# Altium PCB 智能马桶综合检测台V1.0.PcbDoc (part 9 of 10) (continued)
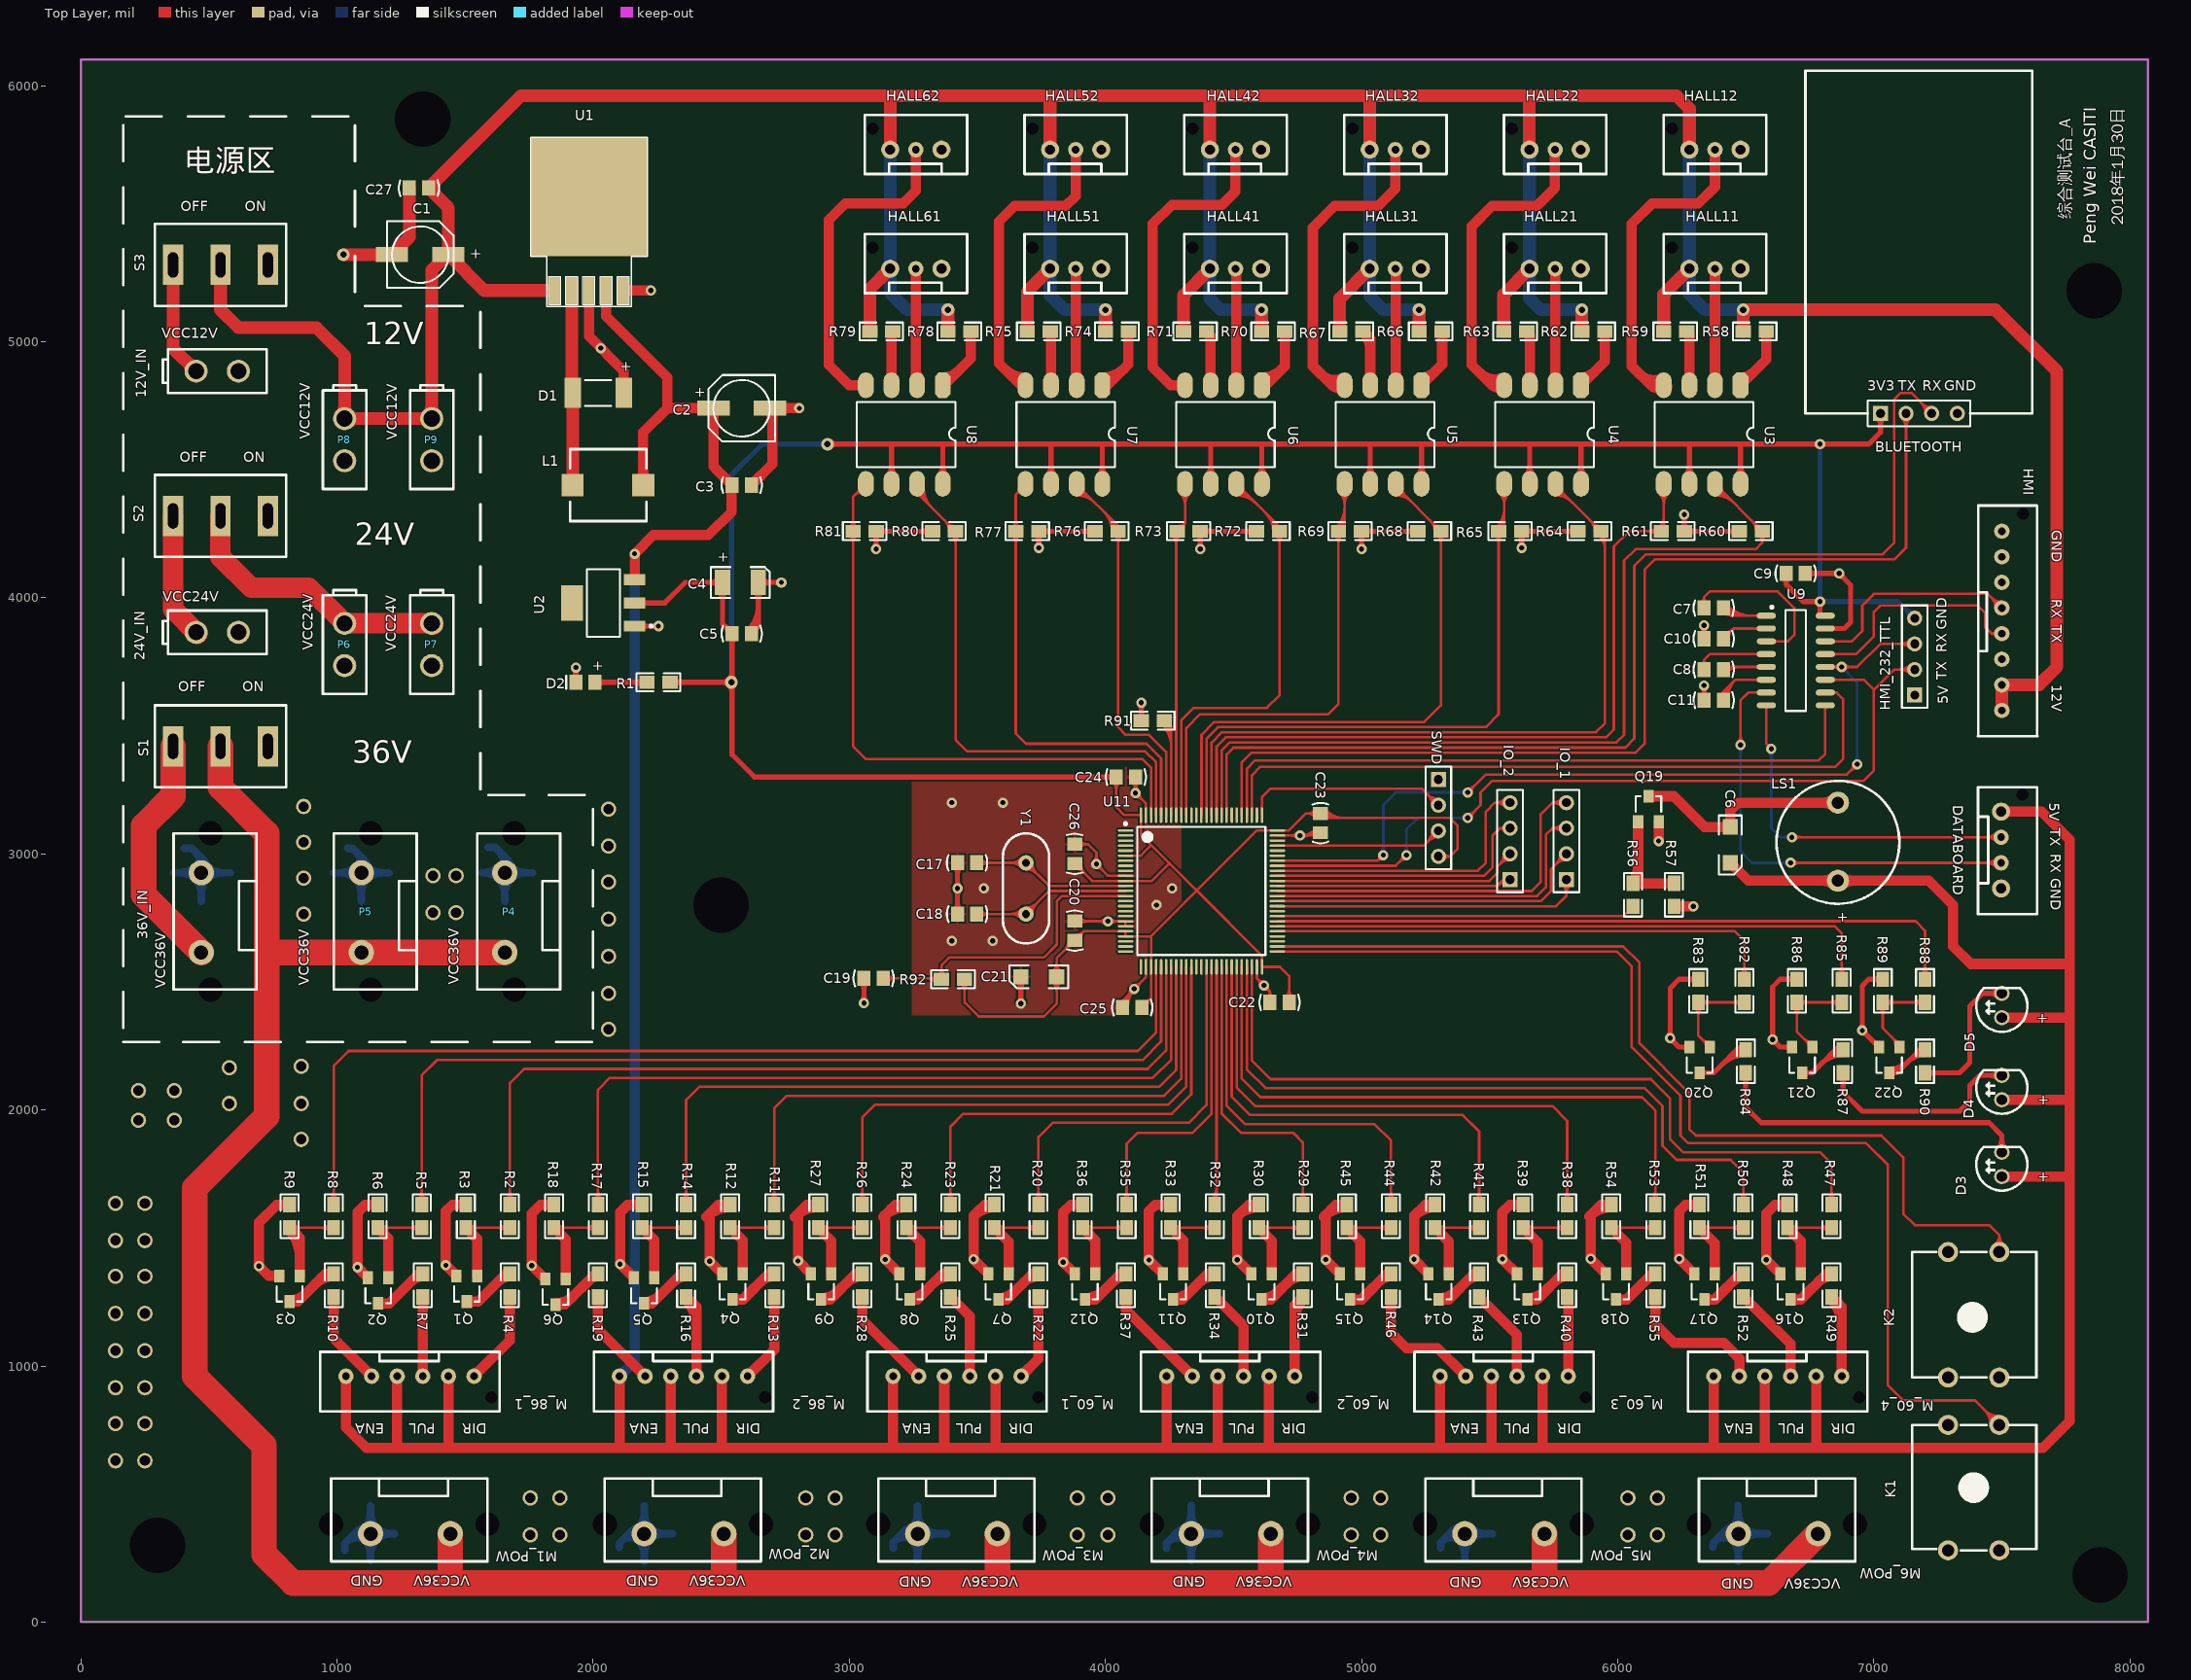
[diagram p0: Top Layer view]
## Nets (pads, with @x,y where several pads share a name; then routed paths per layer and width w, separated by ;. In a path a pad name is that pad's centre, name@x,y a point inside that pad or via, vN(x,y) a via of type N, cw(c..) or ccw(c..) an arc to the next point about the centre after c; other vN are vias at no path point) (continued)
  Top Layer w20: U2.2@2162.05,3980 2280,3980 2360,4060 C4.1@2505,4060 2505,3897.6 C5.2@2542.6,3860 2542.6,3387.4 2630,3300 C24.1@4042.6,3300 ; R1.2@2300,3670 v2(2540,3670) ; v2(2915,4600) 6980,4600 7026,4646 BLUETOOTH.1@7026,4720 ; U8.6@3165,4445 3165,4600 ; U8.8@3365,4445 3365,4600 ; U7.6@3788,4445 3788,4598 ; U7.8@3988,4445 3988,4597 ; U6.6@4411,4445 4411,4599 ; U6.8@4611,4445 4611,4599 ; U5.6@5034,4445 5034,4599 ; U5.8@5234,4445 5234,4596 ; U4.6@5657,4445 5657,4598 ; U4.8@5857,4445 5857,4597 ; U3.6@6280,4445 6280,4595 ; U3.8@6480,4445 6480,4600 ; C9.2@6657.6,4095 6657.6,4052.4 6725,3985 v1(6790,3985) 6790,3930.51 U9.16@6789.49,3930 ; U2.2@2190.96,3971.76 cw(c2210.85,3951.87) 2210.85,3980 ; U2.2@2190.96,3971.76 cw(c2210.85,3951.87) 2210.85,3980 ; U2.2@2190.96,3971.76 cw(c2210.85,3951.87) 2210.85,3980 ; U2.2@2190.96,3971.76 cw(c2210.85,3951.87) 2210.85,3980 ; U2.2@2190.96,3971.76 cw(c2210.85,3951.87) 2210.85,3980 ; U2.2@2190.96,3971.76 cw(c2210.85,3951.87) 2210.85,3980 ; U2.2@2190.96,3988.24 ccw(c2210.85,4008.13) 2210.85,3980 ; U2.2@2190.96,3988.24 ccw(c2210.85,4008.13) 2210.85,3980 ; U2.2@2190.96,3988.24 ccw(c2210.85,4008.13) 2210.85,3980 ; U2.2@2190.96,3988.24 ccw(c2210.85,4008.13) 2210.85,3980 ; U2.2@2190.96,3988.24 ccw(c2210.85,4008.13) 2210.85,3980 ; U2.2@2190.96,3988.24 ccw(c2210.85,4008.13) 2210.85,3980 ; R1.2@2315.61,3659.39 cw(c2341.21,3633.79) 2341.21,3670 ; R1.2@2315.61,3659.39 cw(c2341.21,3633.79) 2341.21,3670 ; R1.2@2315.61,3659.39 cw(c2341.21,3633.79) 2341.21,3670 ; R1.2@2315.61,3659.39 cw(c2341.21,3633.79) 2341.21,3670 ; R1.2@2315.61,3659.39 cw(c2341.21,3633.79) 2341.21,3670 ; R1.2@2315.61,3659.39 cw(c2341.21,3633.79) 2341.21,3670 ; R1.2@2315.61,3680.61 ccw(c2341.21,3706.21) 2341.21,3670 ; R1.2@2315.61,3680.61 ccw(c2341.21,3706.21) 2341.21,3670 ; R1.2@2315.61,3680.61 ccw(c2341.21,3706.21) 2341.21,3670 ; R1.2@2315.61,3680.61 ccw(c2341.21,3706.21) 2341.21,3670 ; R1.2@2315.61,3680.61 ccw(c2341.21,3706.21) 2341.21,3670 ; R1.2@2315.61,3680.61 ccw(c2341.21,3706.21) 2341.21,3670 ; 2456.72,4060 cw(c2456.72,4011.72) C4.1@2490.86,4045.86 ; 2456.72,4060 ccw(c2456.72,4108.28) C4.1@2490.86,4074.14 ; 2456.72,4060 cw(c2456.72,4011.72) C4.1@2490.86,4045.86 ; 2456.72,4060 ccw(c2456.72,4108.28) C4.1@2490.86,4074.14 ; 2456.72,4060 cw(c2456.72,4011.72) C4.1@2490.86,4045.86 ; 2456.72,4060 ccw(c2456.72,4108.28) C4.1@2490.86,4074.14 ; 2456.72,4060 cw(c2456.72,4011.72) C4.1@2490.86,4045.86 ; 2456.72,4060 ccw(c2456.72,4108.28) C4.1@2490.86,4074.14 ; 2456.72,4060 cw(c2456.72,4011.72) C4.1@2490.86,4045.86 ; 2456.72,4060 ccw(c2456.72,4108.28) C4.1@2490.86,4074.14 ; 2456.72,4060 ccw(c2456.72,4108.28) C4.1@2490.86,4074.14 ; 2456.72,4060 cw(c2456.72,4011.72) C4.1@2490.86,4045.86 ; C4.1@2490.86,4025.86 cw(c2456.72,3991.72) 2505,3991.72 ; C4.1@2490.86,4025.86 cw(c2456.72,3991.72) 2505,3991.72 ; C4.1@2490.86,4025.86 cw(c2456.72,3991.72) 2505,3991.72 ; C4.1@2490.86,4025.86 cw(c2456.72,3991.72) 2505,3991.72 ; C4.1@2490.86,4025.86 cw(c2456.72,3991.72) 2505,3991.72 ; C4.1@2490.86,4025.86 cw(c2456.72,3991.72) 2505,3991.72 ; 2503.79,3670 cw(c2503.79,3633.79) v2@2529.39,3659.39 ; 2503.79,3670 ccw(c2503.79,3706.21) v2@2529.39,3680.61 ; 2503.79,3670 cw(c2503.79,3633.79) v2@2529.39,3659.39 ; 2503.79,3670 ccw(c2503.79,3706.21) v2@2529.39,3680.61 ; 2503.79,3670 cw(c2503.79,3633.79) v2@2529.39,3659.39 ; 2503.79,3670 ccw(c2503.79,3706.21) v2@2529.39,3680.61 ; 2503.79,3670 cw(c2503.79,3633.79) v2@2529.39,3659.39 ; 2503.79,3670 ccw(c2503.79,3706.21) v2@2529.39,3680.61 ; 2503.79,3670 cw(c2503.79,3633.79) v2@2529.39,3659.39 ; 2503.79,3670 ccw(c2503.79,3706.21) v2@2529.39,3680.61 ; 2503.79,3670 ccw(c2503.79,3706.21) v2@2529.39,3680.61 ; 2503.79,3670 cw(c2503.79,3633.79) v2@2529.39,3659.39 ; 2505,3991.72 cw(c2553.28,3991.72) C4.1@2519.14,4025.86 ; 2505,3991.72 cw(c2553.28,3991.72) C4.1@2519.14,4025.86 ; 2505,3991.72 cw(c2553.28,3991.72) C4.1@2519.14,4025.86 ; 2505,3991.72 cw(c2553.28,3991.72) C4.1@2519.14,4025.86 ; 2505,3991.72 cw(c2553.28,3991.72) C4.1@2519.14,4025.86 ; 2505,3991.72 cw(c2553.28,3991.72) C4.1@2519.14,4025.86 ; 2509.26,3893.34 ccw(c2542.6,3926.67) C5.2@2542.6,3879.53 ; 2509.26,3893.34 ccw(c2542.6,3926.67) C5.2@2542.6,3879.53 ; 2509.26,3893.34 ccw(c2542.6,3926.67) C5.2@2542.6,3879.53 ; 2509.26,3893.34 ccw(c2542.6,3926.67) C5.2@2542.6,3879.53 ; 2509.26,3893.34 ccw(c2542.6,3926.67) C5.2@2542.6,3879.53 ; 2509.26,3893.34 ccw(c2542.6,3926.67) C5.2@2542.6,3879.53 ; C5.2@2518.77,3883.83 cw(c2498.87,3863.94) C5.2@2527.01,3863.94 ; C5.2@2518.77,3883.83 cw(c2498.87,3863.94) C5.2@2527.01,3863.94 ; C5.2@2518.77,3883.83 cw(c2498.87,3863.94) C5.2@2527.01,3863.94 ; C5.2@2518.77,3883.83 cw(c2498.87,3863.94) C5.2@2527.01,3863.94 ; C5.2@2518.77,3883.83 cw(c2498.87,3863.94) C5.2@2527.01,3863.94 ; C5.2@2518.77,3883.83 cw(c2498.87,3863.94) C5.2@2527.01,3863.94 ; v2@2529.39,3659.39 cw(c2497.51,3627.51) 2542.6,3627.51 ; v2@2529.39,3659.39 cw(c2497.51,3627.51) 2542.6,3627.51 ; v2@2529.39,3659.39 cw(c2497.51,3627.51) 2542.6,3627.51 ; v2@2529.39,3659.39 cw(c2497.51,3627.51) 2542.6,3627.51 ; v2@2529.39,3659.39 cw(c2497.51,3627.51) 2542.6,3627.51 ; v2@2529.39,3659.39 cw(c2497.51,3627.51) 2542.6,3627.51 ; v2@2529.39,3680.61 ccw(c2497.51,3712.49) 2542.6,3712.49 ; v2@2529.39,3680.61 ccw(c2497.51,3712.49) 2542.6,3712.49 ; v2@2529.39,3680.61 ccw(c2497.51,3712.49) 2542.6,3712.49 ; v2@2529.39,3680.61 ccw(c2497.51,3712.49) 2542.6,3712.49 ; v2@2529.39,3680.61 ccw(c2497.51,3712.49) 2542.6,3712.49 ; v2@2529.39,3680.61 ccw(c2497.51,3712.49) 2542.6,3712.49 ; C5.2@2531.57,3845.04 cw(c2504.96,3818.42) 2542.6,3818.42 ; C5.2@2531.57,3845.04 cw(c2504.96,3818.42) 2542.6,3818.42 ; C5.2@2531.57,3845.04 cw(c2504.96,3818.42) 2542.6,3818.42 ; C5.2@2531.57,3845.04 cw(c2504.96,3818.42) 2542.6,3818.42 ; C5.2@2531.57,3845.04 cw(c2504.96,3818.42) 2542.6,3818.42 ; C5.2@2531.57,3845.04 cw(c2504.96,3818.42) 2542.6,3818.42 ; 2542.6,3640.06 cw(c2569.94,3640.06) v2@2550.61,3659.39 ; 2542.6,3640.06 cw(c2569.94,3640.06) v2@2550.61,3659.39 ; 2542.6,3640.06 cw(c2569.94,3640.06) v2@2550.61,3659.39 ; 2542.6,3640.06 cw(c2569.94,3640.06) v2@2550.61,3659.39 ; 2542.6,3640.06 cw(c2569.94,3640.06) v2@2550.61,3659.39 ; 2542.6,3640.06 cw(c2569.94,3640.06) v2@2550.61,3659.39 ; 2542.6,3699.94 ccw(c2569.94,3699.94) v2@2550.61,3680.61 ; 2542.6,3699.94 ccw(c2569.94,3699.94) v2@2550.61,3680.61 ; 2542.6,3699.94 ccw(c2569.94,3699.94) v2@2550.61,3680.61 ; 2542.6,3699.94 ccw(c2569.94,3699.94) v2@2550.61,3680.61 ; 2542.6,3699.94 ccw(c2569.94,3699.94) v2@2550.61,3680.61 ; 2542.6,3699.94 ccw(c2569.94,3699.94) v2@2550.61,3680.61 ; 2542.6,3818.42 cw(c2580.24,3818.42) C5.2@2553.62,3845.04 ; 2542.6,3818.42 cw(c2580.24,3818.42) C5.2@2553.62,3845.04 ; 2542.6,3818.42 cw(c2580.24,3818.42) C5.2@2553.62,3845.04 ; 2542.6,3818.42 cw(c2580.24,3818.42) C5.2@2553.62,3845.04 ; 2542.6,3818.42 cw(c2580.24,3818.42) C5.2@2553.62,3845.04 ; 2542.6,3818.42 cw(c2580.24,3818.42) C5.2@2553.62,3845.04 ; v2@2925.61,4589.39 cw(c2951.21,4563.79) 2951.21,4600 ; v2@2925.61,4589.39 cw(c2951.21,4563.79) 2951.21,4600 ; v2@2925.61,4589.39 cw(c2951.21,4563.79) 2951.21,4600 ; v2@2925.61,4589.39 cw(c2951.21,4563.79) 2951.21,4600 ; v2@2925.61,4589.39 cw(c2951.21,4563.79) 2951.21,4600 ; v2@2925.61,4589.39 cw(c2951.21,4563.79) 2951.21,4600 ; v2@2925.61,4610.61 ccw(c2951.21,4636.21) 2951.21,4600 ; v2@2925.61,4610.61 ccw(c2951.21,4636.21) 2951.21,4600 ; v2@2925.61,4610.61 ccw(c2951.21,4636.21) 2951.21,4600 ; v2@2925.61,4610.61 ccw(c2951.21,4636.21) 2951.21,4600 ; v2@2925.61,4610.61 ccw(c2951.21,4636.21) 2951.21,4600 ; v2@2925.61,4610.61 ccw(c2951.21,4636.21) 2951.21,4600 ; U8.6@3150.15,4478.85 ccw(c3114.3,4514.7) 3165,4514.7 ; U8.6@3150.15,4478.85 ccw(c3114.3,4514.7) 3165,4514.7 ; U8.6@3150.15,4478.85 ccw(c3114.3,4514.7) 3165,4514.7 ; U8.6@3150.15,4478.85 ccw(c3114.3,4514.7) 3165,4514.7 ; U8.6@3150.15,4478.85 ccw(c3114.3,4514.7) 3165,4514.7 ; U8.6@3150.15,4478.85 ccw(c3114.3,4514.7) 3165,4514.7 ; 3165,4514.7 ccw(c3215.7,4514.7) U8.6@3179.85,4478.85 ; 3165,4514.7 ccw(c3215.7,4514.7) U8.6@3179.85,4478.85 ; 3165,4514.7 ccw(c3215.7,4514.7) U8.6@3179.85,4478.85 ; 3165,4514.7 ccw(c3215.7,4514.7) U8.6@3179.85,4478.85 ; 3165,4514.7 ccw(c3215.7,4514.7) U8.6@3179.85,4478.85 ; 3165,4514.7 ccw(c3215.7,4514.7) U8.6@3179.85,4478.85 ; U8.8@3350.15,4478.85 ccw(c3314.3,4514.7) 3365,4514.7 ; U8.8@3350.15,4478.85 ccw(c3314.3,4514.7) 3365,4514.7 ; U8.8@3350.15,4478.85 ccw(c3314.3,4514.7) 3365,4514.7 ; U8.8@3350.15,4478.85 ccw(c3314.3,4514.7) 3365,4514.7 ; U8.8@3350.15,4478.85 ccw(c3314.3,4514.7) 3365,4514.7 ; U8.8@3350.15,4478.85 ccw(c3314.3,4514.7) 3365,4514.7 ; 3365,4514.7 ccw(c3415.7,4514.7) U8.8@3379.85,4478.85 ; 3365,4514.7 ccw(c3415.7,4514.7) U8.8@3379.85,4478.85 ; 3365,4514.7 ccw(c3415.7,4514.7) U8.8@3379.85,4478.85 ; 3365,4514.7 ccw(c3415.7,4514.7) U8.8@3379.85,4478.85 ; 3365,4514.7 ccw(c3415.7,4514.7) U8.8@3379.85,4478.85 ; 3365,4514.7 ccw(c3415.7,4514.7) U8.8@3379.85,4478.85 ; U7.6@3773.15,4478.85 ccw(c3737.3,4514.7) 3788,4514.7 ; U7.6@3773.15,4478.85 ccw(c3737.3,4514.7) 3788,4514.7 ; U7.6@3773.15,4478.85 ccw(c3737.3,4514.7) 3788,4514.7 ; U7.6@3773.15,4478.85 ccw(c3737.3,4514.7) 3788,4514.7 ; U7.6@3773.15,4478.85 ccw(c3737.3,4514.7) 3788,4514.7 ; U7.6@3773.15,4478.85 ccw(c3737.3,4514.7) 3788,4514.7 ; 3788,4514.7 ccw(c3838.7,4514.7) U7.6@3802.85,4478.85 ; 3788,4514.7 ccw(c3838.7,4514.7) U7.6@3802.85,4478.85 ; 3788,4514.7 ccw(c3838.7,4514.7) U7.6@3802.85,4478.85 ; 3788,4514.7 ccw(c3838.7,4514.7) U7.6@3802.85,4478.85 ; 3788,4514.7 ccw(c3838.7,4514.7) U7.6@3802.85,4478.85 ; 3788,4514.7 ccw(c3838.7,4514.7) U7.6@3802.85,4478.85 ; U7.8@3973.15,4478.85 ccw(c3937.3,4514.7) 3988,4514.7 ; U7.8@3973.15,4478.85 ccw(c3937.3,4514.7) 3988,4514.7 ; U7.8@3973.15,4478.85 ccw(c3937.3,4514.7) 3988,4514.7 ; U7.8@3973.15,4478.85 ccw(c3937.3,4514.7) 3988,4514.7 ; U7.8@3973.15,4478.85 ccw(c3937.3,4514.7) 3988,4514.7 ; U7.8@3973.15,4478.85 ccw(c3937.3,4514.7) 3988,4514.7 ; 3988,4514.7 ccw(c4038.7,4514.7) U7.8@4002.85,4478.85 ; 3988,4514.7 ccw(c4038.7,4514.7) U7.8@4002.85,4478.85 ; 3988,4514.7 ccw(c4038.7,4514.7) U7.8@4002.85,4478.85 ; 3988,4514.7 ccw(c4038.7,4514.7) U7.8@4002.85,4478.85 ; 3988,4514.7 ccw(c4038.7,4514.7) U7.8@4002.85,4478.85 ; 3988,4514.7 ccw(c4038.7,4514.7) U7.8@4002.85,4478.85 ; 4004.96,3300 cw(c4004.96,3262.36) C24.1@4031.57,3288.98 ; 4004.96,3300 ccw(c4004.96,3337.64) C24.1@4031.57,3311.02 ; 4004.96,3300 cw(c4004.96,3262.36) C24.1@4031.57,3288.98 ; 4004.96,3300 ccw(c4004.96,3337.64) C24.1@4031.57,3311.02 ; 4004.96,3300 cw(c4004.96,3262.36) C24.1@4031.57,3288.98 ; 4004.96,3300 ccw(c4004.96,3337.64) C24.1@4031.57,3311.02 ; 4004.96,3300 cw(c4004.96,3262.36) C24.1@4031.57,3288.98 ; 4004.96,3300 ccw(c4004.96,3337.64) C24.1@4031.57,3311.02 ; 4004.96,3300 cw(c4004.96,3262.36) C24.1@4031.57,3288.98 ; 4004.96,3300 ccw(c4004.96,3337.64) C24.1@4031.57,3311.02 ; 4004.96,3300 ccw(c4004.96,3337.64) C24.1@4031.57,3311.02 ; 4004.96,3300 cw(c4004.96,3262.36) C24.1@4031.57,3288.98 ; U6.6@4396.15,4478.85 ccw(c4360.3,4514.7) 4411,4514.7 ; U6.6@4396.15,4478.85 ccw(c4360.3,4514.7) 4411,4514.7 ; U6.6@4396.15,4478.85 ccw(c4360.3,4514.7) 4411,4514.7 ; U6.6@4396.15,4478.85 ccw(c4360.3,4514.7) 4411,4514.7 ; U6.6@4396.15,4478.85 ccw(c4360.3,4514.7) 4411,4514.7 ; U6.6@4396.15,4478.85 ccw(c4360.3,4514.7) 4411,4514.7 ; 4411,4514.7 ccw(c4461.7,4514.7) U6.6@4425.85,4478.85 ; 4411,4514.7 ccw(c4461.7,4514.7) U6.6@4425.85,4478.85 ; 4411,4514.7 ccw(c4461.7,4514.7) U6.6@4425.85,4478.85 ; 4411,4514.7 ccw(c4461.7,4514.7) U6.6@4425.85,4478.85 ; 4411,4514.7 ccw(c4461.7,4514.7) U6.6@4425.85,4478.85 ; 4411,4514.7 ccw(c4461.7,4514.7) U6.6@4425.85,4478.85 ; U6.8@4596.15,4478.85 ccw(c4560.3,4514.7) 4611,4514.7 ; U6.8@4596.15,4478.85 ccw(c4560.3,4514.7) 4611,4514.7 ; U6.8@4596.15,4478.85 ccw(c4560.3,4514.7) 4611,4514.7 ; U6.8@4596.15,4478.85 ccw(c4560.3,4514.7) 4611,4514.7 ; U6.8@4596.15,4478.85 ccw(c4560.3,4514.7) 4611,4514.7 ; U6.8@4596.15,4478.85 ccw(c4560.3,4514.7) 4611,4514.7 ; 4611,4514.7 ccw(c4661.7,4514.7) U6.8@4625.85,4478.85 ; 4611,4514.7 ccw(c4661.7,4514.7) U6.8@4625.85,4478.85 ; 4611,4514.7 ccw(c4661.7,4514.7) U6.8@4625.85,4478.85 ; 4611,4514.7 ccw(c4661.7,4514.7) U6.8@4625.85,4478.85 ; 4611,4514.7 ccw(c4661.7,4514.7) U6.8@4625.85,4478.85 ; 4611,4514.7 ccw(c4661.7,4514.7) U6.8@4625.85,4478.85 ; U5.6@5019.15,4478.85 ccw(c4983.3,4514.7) 5034,4514.7 ; U5.6@5019.15,4478.85 ccw(c4983.3,4514.7) 5034,4514.7 ; U5.6@5019.15,4478.85 ccw(c4983.3,4514.7) 5034,4514.7 ; U5.6@5019.15,4478.85 ccw(c4983.3,4514.7) 5034,4514.7 ; U5.6@5019.15,4478.85 ccw(c4983.3,4514.7) 5034,4514.7 ; U5.6@5019.15,4478.85 ccw(c4983.3,4514.7) 5034,4514.7 ; 5034,4514.7 ccw(c5084.7,4514.7) U5.6@5048.85,4478.85 ; 5034,4514.7 ccw(c5084.7,4514.7) U5.6@5048.85,4478.85 ; 5034,4514.7 ccw(c5084.7,4514.7) U5.6@5048.85,4478.85 ; 5034,4514.7 ccw(c5084.7,4514.7) U5.6@5048.85,4478.85 ; 5034,4514.7 ccw(c5084.7,4514.7) U5.6@5048.85,4478.85 ; 5034,4514.7 ccw(c5084.7,4514.7) U5.6@5048.85,4478.85 ; U5.8@5219.15,4478.85 ccw(c5183.3,4514.7) 5234,4514.7 ; U5.8@5219.15,4478.85 ccw(c5183.3,4514.7) 5234,4514.7 ; U5.8@5219.15,4478.85 ccw(c5183.3,4514.7) 5234,4514.7 ; U5.8@5219.15,4478.85 ccw(c5183.3,4514.7) 5234,4514.7 ; U5.8@5219.15,4478.85 ccw(c5183.3,4514.7) 5234,4514.7 ; U5.8@5219.15,4478.85 ccw(c5183.3,4514.7) 5234,4514.7 ; 5234,4514.7 ccw(c5284.7,4514.7) U5.8@5248.85,4478.85 ; 5234,4514.7 ccw(c5284.7,4514.7) U5.8@5248.85,4478.85 ; 5234,4514.7 ccw(c5284.7,4514.7) U5.8@5248.85,4478.85 ; 5234,4514.7 ccw(c5284.7,4514.7) U5.8@5248.85,4478.85 ; 5234,4514.7 ccw(c5284.7,4514.7) U5.8@5248.85,4478.85 ; 5234,4514.7 ccw(c5284.7,4514.7) U5.8@5248.85,4478.85 ; U4.6@5642.15,4478.85 ccw(c5606.3,4514.7) 5657,4514.7 ; U4.6@5642.15,4478.85 ccw(c5606.3,4514.7) 5657,4514.7 ; U4.6@5642.15,4478.85 ccw(c5606.3,4514.7) 5657,4514.7 ; U4.6@5642.15,4478.85 ccw(c5606.3,4514.7) 5657,4514.7 ; U4.6@5642.15,4478.85 ccw(c5606.3,4514.7) 5657,4514.7 ; U4.6@5642.15,4478.85 ccw(c5606.3,4514.7) 5657,4514.7 ; 5657,4514.7 ccw(c5707.7,4514.7) U4.6@5671.85,4478.85 ; 5657,4514.7 ccw(c5707.7,4514.7) U4.6@5671.85,4478.85 ; 5657,4514.7 ccw(c5707.7,4514.7) U4.6@5671.85,4478.85 ; 5657,4514.7 ccw(c5707.7,4514.7) U4.6@5671.85,4478.85 ; 5657,4514.7 ccw(c5707.7,4514.7) U4.6@5671.85,4478.85 ; 5657,4514.7 ccw(c5707.7,4514.7) U4.6@5671.85,4478.85 ; U4.8@5842.15,4478.85 ccw(c5806.3,4514.7) 5857,4514.7 ; U4.8@5842.15,4478.85 ccw(c5806.3,4514.7) 5857,4514.7 ; U4.8@5842.15,4478.85 ccw(c5806.3,4514.7) 5857,4514.7 ; U4.8@5842.15,4478.85 ccw(c5806.3,4514.7) 5857,4514.7 ; U4.8@5842.15,4478.85 ccw(c5806.3,4514.7) 5857,4514.7 ; U4.8@5842.15,4478.85 ccw(c5806.3,4514.7) 5857,4514.7 ; 5857,4514.7 ccw(c5907.7,4514.7) U4.8@5871.85,4478.85 ; 5857,4514.7 ccw(c5907.7,4514.7) U4.8@5871.85,4478.85 ; 5857,4514.7 ccw(c5907.7,4514.7) U4.8@5871.85,4478.85 ; 5857,4514.7 ccw(c5907.7,4514.7) U4.8@5871.85,4478.85 ; 5857,4514.7 ccw(c5907.7,4514.7) U4.8@5871.85,4478.85 ; 5857,4514.7 ccw(c5907.7,4514.7) U4.8@5871.85,4478.85 ; U3.6@6265.15,4478.85 ccw(c6229.3,4514.7) 6280,4514.7 ; U3.6@6265.15,4478.85 ccw(c6229.3,4514.7) 6280,4514.7 ; U3.6@6265.15,4478.85 ccw(c6229.3,4514.7) 6280,4514.7 ; U3.6@6265.15,4478.85 ccw(c6229.3,4514.7) 6280,4514.7 ; U3.6@6265.15,4478.85 ccw(c6229.3,4514.7) 6280,4514.7 ; U3.6@6265.15,4478.85 ccw(c6229.3,4514.7) 6280,4514.7 ; 6280,4514.7 ccw(c6330.7,4514.7) U3.6@6294.85,4478.85 ; 6280,4514.7 ccw(c6330.7,4514.7) U3.6@6294.85,4478.85 ; 6280,4514.7 ccw(c6330.7,4514.7) U3.6@6294.85,4478.85 ; 6280,4514.7 ccw(c6330.7,4514.7) U3.6@6294.85,4478.85 ; 6280,4514.7 ccw(c6330.7,4514.7) U3.6@6294.85,4478.85 ; 6280,4514.7 ccw(c6330.7,4514.7) U3.6@6294.85,4478.85 ; U3.8@6465.15,4478.85 ccw(c6429.3,4514.7) 6480,4514.7 ; U3.8@6465.15,4478.85 ccw(c6429.3,4514.7) 6480,4514.7 ; U3.8@6465.15,4478.85 ccw(c6429.3,4514.7) 6480,4514.7 ; U3.8@6465.15,4478.85 ccw(c6429.3,4514.7) 6480,4514.7 ; U3.8@6465.15,4478.85 ccw(c6429.3,4514.7) 6480,4514.7 ; U3.8@6465.15,4478.85 ccw(c6429.3,4514.7) 6480,4514.7 ; 6480,4514.7 ccw(c6530.7,4514.7) U3.8@6494.85,4478.85 ; 6480,4514.7 ccw(c6530.7,4514.7) U3.8@6494.85,4478.85 ; 6480,4514.7 ccw(c6530.7,4514.7) U3.8@6494.85,4478.85 ; 6480,4514.7 ccw(c6530.7,4514.7) U3.8@6494.85,4478.85 ; 6480,4514.7 ccw(c6530.7,4514.7) U3.8@6494.85,4478.85 ; 6480,4514.7 ccw(c6530.7,4514.7) U3.8@6494.85,4478.85 ; C9.2@6646.57,4080.04 cw(c6619.96,4053.42) 6657.6,4053.42 ; C9.2@6646.57,4080.04 cw(c6619.96,4053.42) 6657.6,4053.42 ; C9.2@6646.57,4080.04 cw(c6619.96,4053.42) 6657.6,4053.42 ; C9.2@6646.57,4080.04 cw(c6619.96,4053.42) 6657.6,4053.42 ; C9.2@6646.57,4080.04 cw(c6619.96,4053.42) 6657.6,4053.42 ; C9.2@6646.57,4080.04 cw(c6619.96,4053.42) 6657.6,4053.42 ; 6657.6,4053.42 cw(c6695.24,4053.42) C9.2@6668.62,4080.04 ; 6657.6,4053.42 cw(c6695.24,4053.42) C9.2@6668.62,4080.04 ; 6657.6,4053.42 cw(c6695.24,4053.42) C9.2@6668.62,4080.04 ; 6657.6,4053.42 cw(c6695.24,4053.42) C9.2@6668.62,4080.04 ; 6657.6,4053.42 cw(c6695.24,4053.42) C9.2@6668.62,4080.04 ; 6657.6,4053.42 cw(c6695.24,4053.42) C9.2@6668.62,4080.04 ; 6765.86,3985 cw(c6765.86,3960.86) v1@6782.93,3977.93 ; 6765.86,3985 ccw(c6765.86,4009.14) v1@6782.93,3992.07 ; 6765.86,3985 cw(c6765.86,3960.86) v1@6782.93,3977.93 ; 6765.86,3985 ccw(c6765.86,4009.14) v1@6782.93,3992.07 ; 6765.86,3985 cw(c6765.86,3960.86) v1@6782.93,3977.93 ; 6765.86,3985 ccw(c6765.86,4009.14) v1@6782.93,3992.07 ; 6765.86,3985 cw(c6765.86,3960.86) v1@6782.93,3977.93 ; 6765.86,3985 ccw(c6765.86,4009.14) v1@6782.93,3992.07 ; 6765.86,3985 cw(c6765.86,3960.86) v1@6782.93,3977.93 ; 6765.86,3985 ccw(c6765.86,4009.14) v1@6782.93,3992.07 ; 6765.86,3985 ccw(c6765.86,4009.14) v1@6782.93,3992.07 ; 6765.86,3985 cw(c6765.86,3960.86) v1@6782.93,3977.93 ; 6765.86,4600 cw(c6765.86,4575.86) v1@6782.93,4592.93 ; 6765.86,4600 ccw(c6765.86,4624.14) v1@6782.93,4607.07 ; 6765.86,4600 cw(c6765.86,4575.86) v1@6782.93,4592.93 ; 6765.86,4600 ccw(c6765.86,4624.14) v1@6782.93,4607.07 ; 6765.86,4600 cw(c6765.86,4575.86) v1@6782.93,4592.93 ; 6765.86,4600 ccw(c6765.86,4624.14) v1@6782.93,4607.07 ; 6765.86,4600 cw(c6765.86,4575.86) v1@6782.93,4592.93 ; 6765.86,4600 ccw(c6765.86,4624.14) v1@6782.93,4607.07 ; 6765.86,4600 cw(c6765.86,4575.86) v1@6782.93,4592.93 ; 6765.86,4600 ccw(c6765.86,4624.14) v1@6782.93,4607.07 ; 6765.86,4600 ccw(c6765.86,4624.14) v1@6782.93,4607.07 ; 6765.86,4600 cw(c6765.86,4575.86) v1@6782.93,4592.93 ; v1@6782.93,3977.93 cw(c6765.86,3960.86) 6790,3960.86 ; v1@6782.93,3977.93 cw(c6765.86,3960.86) 6790,3960.86 ; v1@6782.93,3977.93 cw(c6765.86,3960.86) 6790,3960.86 ; v1@6782.93,3977.93 cw(c6765.86,3960.86) 6790,3960.86 ; v1@6782.93,3977.93 cw(c6765.86,3960.86) 6790,3960.86 ; v1@6782.93,3977.93 cw(c6765.86,3960.86) 6790,3960.86 ; 6790,3960.86 cw(c6814.14,3960.86) v1@6797.07,3977.93 ; 6790,3960.86 cw(c6814.14,3960.86) v1@6797.07,3977.93 ; 6790,3960.86 cw(c6814.14,3960.86) v1@6797.07,3977.93 ; 6790,3960.86 cw(c6814.14,3960.86) v1@6797.07,3977.93 ; 6790,3960.86 cw(c6814.14,3960.86) v1@6797.07,3977.93 ; 6790,3960.86 cw(c6814.14,3960.86) v1@6797.07,3977.93 ; v1@6797.07,4592.93 cw(c6814.14,4575.86) 6814.14,4600 ; v1@6797.07,4592.93 cw(c6814.14,4575.86) 6814.14,4600 ; v1@6797.07,4592.93 cw(c6814.14,4575.86) 6814.14,4600 ; v1@6797.07,4592.93 cw(c6814.14,4575.86) 6814.14,4600 ; v1@6797.07,4592.93 cw(c6814.14,4575.86) 6814.14,4600 ; v1@6797.07,4592.93 cw(c6814.14,4575.86) 6814.14,4600 ; v1@6797.07,4607.07 ccw(c6814.14,4624.14) 6814.14,4600 ; v1@6797.07,4607.07 ccw(c6814.14,4624.14) 6814.14,4600 ; v1@6797.07,4607.07 ccw(c6814.14,4624.14) 6814.14,4600 ; v1@6797.07,4607.07 ccw(c6814.14,4624.14) 6814.14,4600 ; v1@6797.07,4607.07 ccw(c6814.14,4624.14) 6814.14,4600 ; v1@6797.07,4607.07 ccw(c6814.14,4624.14) 6814.14,4600 ; BLUETOOTH.1@7012.19,4706.19 cw(c6978.86,4672.86) 7026,4672.86 ; BLUETOOTH.1@7012.19,4706.19 cw(c6978.86,4672.86) 7026,4672.86 ; BLUETOOTH.1@7012.19,4706.19 cw(c6978.86,4672.86) 7026,4672.86 ; BLUETOOTH.1@7012.19,4706.19 cw(c6978.86,4672.86) 7026,4672.86 ; BLUETOOTH.1@7012.19,4706.19 cw(c6978.86,4672.86) 7026,4672.86 ; BLUETOOTH.1@7012.19,4706.19 cw(c6978.86,4672.86) 7026,4672.86 ; 7026,4672.86 cw(c7073.14,4672.86) BLUETOOTH.1@7039.81,4706.19 ; 7026,4672.86 